# KiCad board Inkplate10_Soldered_panel.kicad_pcb (continued)
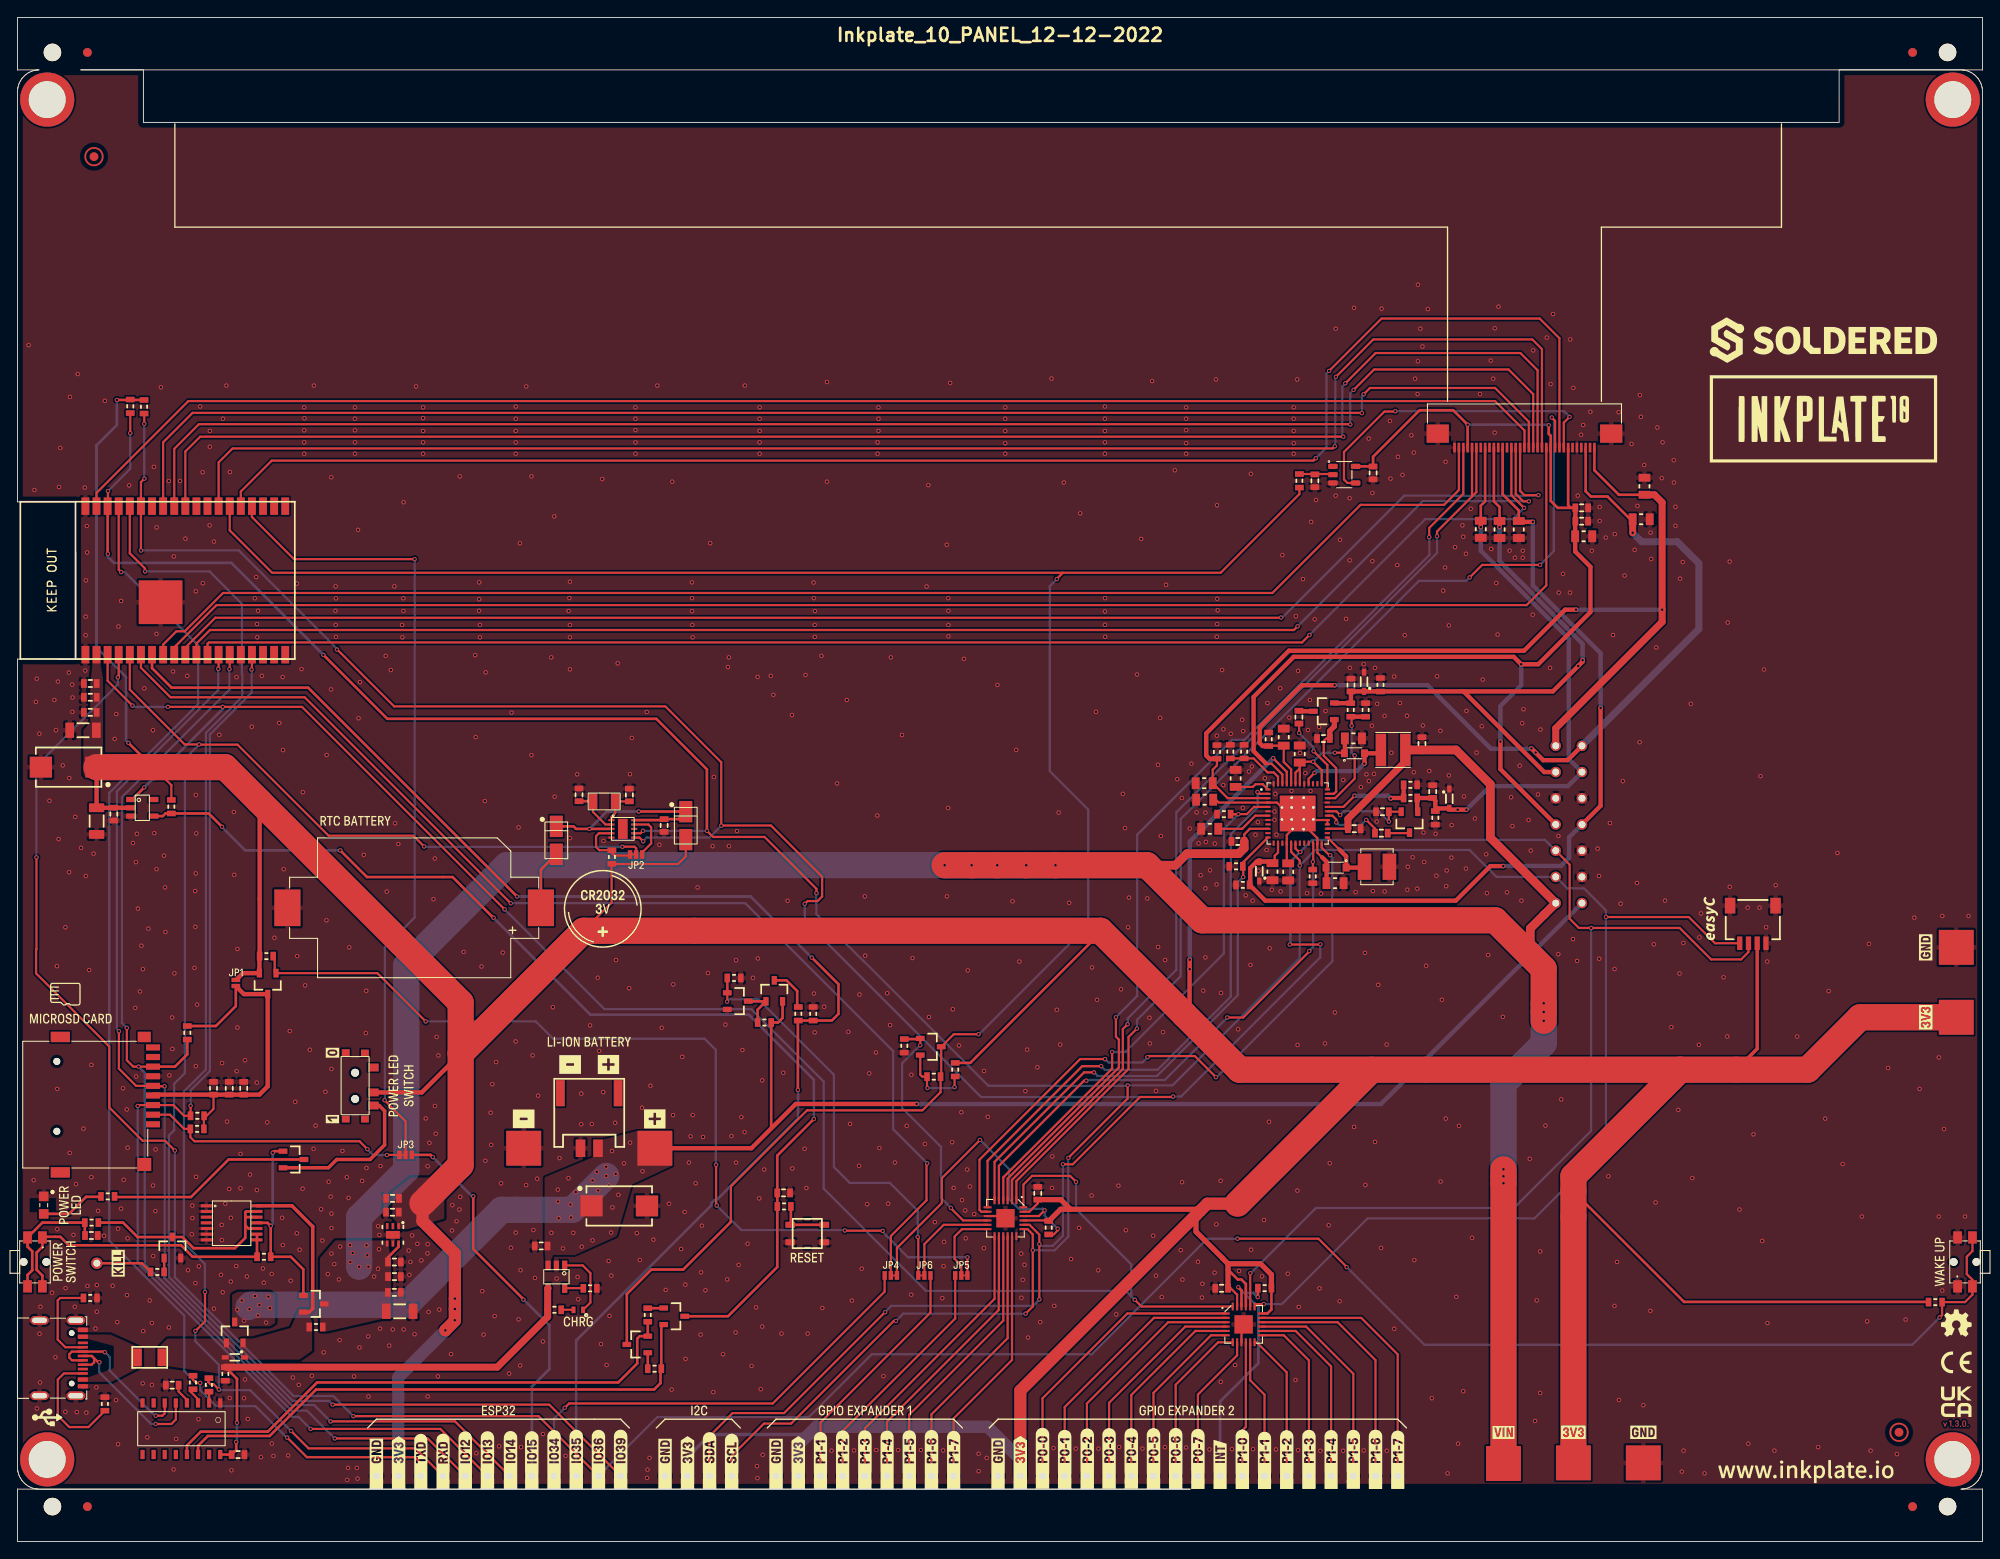
[diagram p0: board, top side]
## Placement (name value [footprint] x y rotation side) (continued)
kibuzzard-6392DAB6  G***  [kibuzzard-6392DAB6]  63.22 54.59 0 top
kibuzzard-6392DAC5  G***  [kibuzzard-6392DAC5]  57.91 48.37 0 top
kibuzzard-63035A45  G***  [kibuzzard-63035A45]  61.38 9.37 90 top
kibuzzard-63035A96  G***  [kibuzzard-63035A96]  63.92 9.4 90 top
kibuzzard-630359AB  G***  [kibuzzard-630359AB]  66.46 9.37 90 top
kibuzzard-638056B3  G***  [kibuzzard-638056B3]  133.77 15 0 top
kibuzzard-638057C3  G***  [kibuzzard-638057C3]  218.3 68 90 top
kibuzzard-638057DB  G***  [kibuzzard-638057DB]  218.3 60 90 top
kibuzzard-638057EE  G***  [kibuzzard-638057EE]  170 12.5 0 top
kibuzzard-638057F8  G***  [kibuzzard-638057F8]  178 12.5 0 top
kibuzzard-6303591E  G***  [kibuzzard-6303591E]  51.22 9.3 90 top
kibuzzard-6380569C  G***  [kibuzzard-6380569C]  96.94 15 0 top
kibuzzard-6380584F  G***  [kibuzzard-6380584F]  44.75 52.15 90 top
kibuzzard-6380973E  G***  [kibuzzard-6380973E]  5.3 38.5 90 top
kibuzzard-63035436  G***  [kibuzzard-63035436]  107.98 31.65 0 top
kibuzzard-63035904  G***  [kibuzzard-63035904]  53.76 9.3 90 top
kibuzzard-63035944  G***  [kibuzzard-63035944]  56.41 9.32 90 top
kibuzzard-63035991  G***  [kibuzzard-63035991]  69 9.4 90 top
kibuzzard-63037233  G***  [kibuzzard-63037233]  44.41 45.45 0 top
kibuzzard-63805803  G***  [kibuzzard-63805803]  186 12.5 0 top
kibuzzard-63805826  G***  [kibuzzard-63805826]  11.53 31.85 90 top
kibuzzard-63805845  G***  [kibuzzard-63805845]  43 52.15 90 top
kibuzzard-63805876  G***  [kibuzzard-63805876]  36.03 48.35 90 top
kibuzzard-63805880  G***  [kibuzzard-63805880]  36.03 55.95 90 top
kibuzzard-63805968  G***  [kibuzzard-63805968]  38.67 82.49 0 top
kibuzzard-63805973  G***  [kibuzzard-63805973]  1.8 36.6 180 bottom
L1  LQH44PN4R7MP0L  [1515L]  155.53 77.22 180 top
L2  NR4012T2R2M  [NR4012]  157.38 90.6 180 top
PAD1  -  [PAD_4x4]  72.91 45.01 0 top
PAD2  -  [PAD_4x4]  57.91 45.01 0 top
PAD3  PAD_4x4  [PAD_4x4#2]  170.52 8.93 270 top
PAD4  PAD_4x4  [PAD_4x4#3]  221.8 60.2 90 top
PAD5  -  [PAD_4x4]  178 9 270 top
PAD8  -  [PAD_4x4]  186 9 270 top
PAD9  -  [PAD_4x4]  221.8 68 90 top
Q1  DNP  [SOT-23-3]  104.48 56.62 0 top
Q2  NPN  [SOT-23-3]  75.13 25.78 0 top
Q3  NPN  [SOT-23-3]  70.91 22.55 180 top
Q4  NMOS  [SOT-23-3]  82.4 61.85 0 top
Q5  PMOS  [SOT-23-3]  86.58 63.02 90 top
Q6  PMOS  [SOT-23-3]  31.58 43.72 0 top
Q7  SSM3J358R,LF  [SOT-23-3]  24.85 23.92 90 top
Q8  NPN  [SOT-23-3]  17.73 33.65 90 top
Q9  SSM3J358R,LF  [SOT-23-3]  33.9 27.2 0 top
Q10  PMOS  [SOT-23-3]  28.63 63.85 270 top
R1  10k  [0603R]  12.9 129.92 90 top
R2  NTC-NCP18XH103F03RB  [0603R]  140.33 90.4 270 top
R3  43k-RC0603FR-0743KL  [0603R]  138.75 90.4 270 top
R4  10k  [0603R]  14.48 129.87 90 top
R5  100k  [0603R]  138.01 83.25 180 top
R6  100k  [0603R]  139.4 77.27 180 top
R7  100k  [0603R]  148.18 76.12 270 top
R8  4k7  [0603R]  137.22 90.37 90 top
R9  4k7  [0603R]  143.14 91.82 90 top
R10  4k7  [0603R]  155.93 98.05 270 top
R11  4k7  [0603R]  140.18 75.15 0 top
R12  4k7  [0603R]  162.2 82.82 90 top
R13  1M  [0603R]  152.53 95.17 90 top
R14  47k5-RC0603FR-0747K5L  [0603R]  154.23 95.17 270 top
R15  1M  [0603R]  159.35 85.1 0 top
R16  52k3-RC0603FR-0752K3L  [0603R]  159.35 86.6 180 top
R17  5k1  [0603R]  10 15.75 90 top
R18  5k1  [0603R]  8.33 27.87 0 top
R19  DNP  [0603R]  101.45 56.73 90 top
R20  1k  [0603R]  107.28 54 90 top
R21  0R  [0603R]  104.83 53.2 180 top
R22  47k  [0603R]  17.6 84.1 90 top
R23  1k  [0603R]  20.08 18.2 90 top
R24  1k  [0603R]  21.9 17.92 90 top
R25  100k  [0603R]  81.98 64.5 180 top
R26  10k  [0603R]  72.11 25.93 270 top
R27  10k  [0603R]  72.88 19.78 0 top
R28  1k  [0603R]  61.43 26.52 0 top
R29  510k  [0603R]  85.45 59.4 0 top
R30  100k  [0603R]  89.33 60.4 90 top
R31  100k  [0603R]  91.03 60.4 270 top
R32  2k49  [0603R]  65.51 28.97 0 top
R33  47R  [0603R]  87.7 38.35 180 top
R34  DNP  [0603R]  34.15 24.55 0 top
R35  1k  [0603R]  10.33 39.5 180 top
R36  100k  [0603R]  23.78 19.18 90 top
R37  1k  [0603R]  16 30.85 180 top
R38  100k  [0603R]  28.19 32.59 0 top
R39  100k  [0603R]  8.48 36.5 0 top
R40  100k  [0603R]  28.48 67 0 top
R41  100k  [0603R]  219.4 27.4 180 top
R42  10k  [0603R]  68 78.34 270 top
R43  100k  [0603R]  20.55 47.22 0 top
R44  100k  [0603R]  20.58 48.72 0 top
R45  100k  [0603R]  19.43 58.22 90 top
R46  330R  [0603R]  146.65 121.4 90 top
R47  10k  [0603R]  117.97 35.92 270 top
R48  10k  [0603R]  142.68 29 180 top
REF**  -  [Version1.3.0.]  221.8 13.5 0 top
REF**#2  -  [NPTH]  4 170.42 0 top
REF**#3  -  [NPTH]  220.8 4 0 top
REF**#4  -  [Fiducial]  216.8 4 0 top
REF**#5  -  [NPTH]  4 4 0 top
REF**#6  -  [Symbol-Front-CR2032]  66.95 72.42 0 top
REF**#7  -  [NPTH]  220.8 170.42 0 top
REF**#8  -  [Logo-Front-Inkplate10]  206.6 128.5 0 top
REF**#9  -  [Fiducial]  8 170.42 0 top
REF**#10  -  [Logo-Front-InkplateWebPage-20mm]  204.6 8 0 top
REF**#11  -  [Fiducial]  216.8 170.42 0 top
REF**#12  -  [Logo-Front-CE-3.5mm]  221.8 20.5 0 top
REF**#13  -  [Logo-Front-UKCA-3.5mm]  221.8 16 0 top
REF**#14  -  [Fiducial]  8 4 0 top
REF**#15  -  [Logo-Front-SolderedFULL-26mm]  206.6 137.5 0 top
REF**#16  -  [Fiducial]  216.8 170.42 0 bottom
REF**#17  -  [Fiducial]  8 4 0 bottom
REF**#18  -  [Fiducial]  216.8 4 0 bottom
REF**#19  -  [Fiducial]  8 170.42 0 bottom
S1  -  [SK-3296S-01-L1]  38.63 52.15 90 top
SW1  -  [YTSA007A0151803B]  90.35 35.25 180 top
SW2  -  [K2-1114SA-A4SW-06]  2 32 270 top
SW3  -  [K2-1114SA-A4SW-06]  222.8 32 90 top
U1  TPS65186RGZR  [VQFN-49]  146.46 83.32 0 top
U2  TPS3840PL27DBVR  [SOT-23-5]  14.28 83.97 0 top
U3  CH340C  [SOP-16]  18.75 12.91 270 top
U4  MCP73831T  [SOT-23-5]  61.65 30.3 270 top
U5  MC14093BDTR2G  [TSSOP-14]  24.5 36.47 0 top
U6  -  [TPS7A2633DRVR]  42.95 35.1 270 top
U7  -  [PCF85063A]  69.25 81.56 0 top
U8  -  [SN74LVC1G34DBV]  151.79 122.1 0 top
U9  -  [PCAL6416AHF,128]  113.03 37 270 top
U10  -  [ESP32-WROVER]  19.2 110 90 top
U11  -  [PCAL6416AHF,128]  140.28 24.85 0 top
X1  7LC32768F12UC  [ABS07AIG-32.768KHZ-7-D-T]  67.11 84.7 180 top

## Library data of the parts
D8 = -: Package: 0402

## Footprints (pads in the part's own frame, mm; a bottom-side part is the same pattern mirrored in y, then rotated)
0402LED
  rect 0.45x0.75 smd: 1(-0.55,0) 2(0.55,0)
0603C
  rect 0.66x1 smd: 1(-0.73,0) 2(0.73,0)
0603R
  rect 0.64x1 smd: 1(-0.775,0) 2(0.775,0)
0805C
  rect 0.9x1.35 smd: 1(-0.975,0) 2(0.975,0)
1206C
  rect 1x1.75 smd: 1(-1.525,0) 2(1.525,0)
1206FUSE
  rect 1x2 smd: 1(-1.4,0) 2(1.4,0)
1515L
  rect 1.55x3 smd: 1(-1.425,0) 2(1.425,0)
2917C
  rect 2.55x2.4 smd: 1(-3.175,0) 2(3.175,0)
ABS07AIG-32.768KHZ-7-D-T
  rect 1x1.8 smd: 1(-1.275,0) 2(1.275,0)
CR2032-BS-6-1
  rect 3x4.2 smd: +(14.5,0) -(-14.5,0)
easyC-connector
  rect 0.6x1.55 smd: 1(-1.5,-2.15) 2(-0.5,-2.15) 3(0.5,-2.15) 4(1.5,-2.15)
  rect 1.2x1.8 smd: 5(-2.6,2.15) 5(2.6,2.15)
ESP32-WROVER
  rect 2x0.9 smd: 1(-8.5,11.43) 2(-8.5,10.16) 3(-8.5,8.89) 4(-8.5,7.62) 5(-8.5,6.35) 6(-8.5,5.08) 7(-8.5,3.81) 8(-8.5,2.54) 9(-8.5,1.27) 10(-8.5,0) 11(-8.5,-1.27) 12(-8.5,-2.54) 13(-8.5,-3.81) 14(-8.5,-5.08) 15(-8.5,-6.35) 16(-8.5,-7.62) 17(-8.5,-8.89) 18(-8.5,-10.16) 19(-8.5,-11.43) 20(8.5,-11.43) 21(8.5,-10.16) 22(8.5,-8.89) 23(8.5,-7.62) 24(8.5,-6.35) 25(8.5,-5.08) 26(8.5,-3.81) 27(8.5,-2.54) 28(8.5,-1.27) 29(8.5,0) 30(8.5,1.27) 31(8.5,2.54) 32(8.5,3.81) 33(8.5,5.08) 34(8.5,6.35) 35(8.5,7.62) 36(8.5,8.89) 37(8.5,10.16) 38(8.5,11.43)
  rect 5x5 smd: 39(-2.5,2.83)
Fiducial
  round 1 smd: (0,0)
FIDUCIAL_23
  round 1 smd: 1(0,0)
HEADER_MALE_1X1_Inkplate
  round 1.3 hole 0.8: 1(0,0)
HYC77-TF09-200
  round 0.8 hole 1 unplated: (-4.95,-5.5) (3.05,-5.5)
  rect 0.7x1.6 smd: 1(2.25,5.5) 2(1.15,5.5) 3(0.05,5.5) 4(-1.05,5.5) 5(-2.15,5.5) 6(-3.25,5.5) 7(-4.35,5.5) 8(-5.45,5.5) CD(-6.55,5.5)
  rect 1.2x2.2 smd: 12(7.75,-5.1) MNT(-7.75,-5.1)
  rect 1.2x1.5 smd: MNT(-7.75,4.5)
  rect 1.5x1.6 smd: MNT(6.85,4.5)
INKPLATE TEST HEADER
  round 1.2 hole 0.8: 1(-1.5,9) 2(-1.5,6) 3(-1.5,3) 4(-1.5,0) 5(-1.5,-3) 6(-1.5,-6) 7(-1.5,-9) 8(1.5,-9) 9(1.5,-6) 10(1.5,-3) 11(1.5,0) 12(1.5,3) 13(1.5,6) 14(1.5,9)
JST-2pin-SMD
  rect 1x3 smd: (-3.3,3.15) (3.3,3.15)
  rect 1.1x2 smd: 1(1,-3.15) 2(-1,-3.15)
K2-1114SA-A4SW-06
  round 0.9 hole 0.9 unplated: (0,1.3) (0,-1.3)
  rect 1.4x1 smd: 1(-2.8,0.85) 1(2.8,0.85) 2(-2.8,-0.85) 2(2.8,-0.85)
LTST-S270GKT
  rect 1.1x1.1 smd: 1(-1,0) 2(1,0)
M4_DIODA
  rect 2.45x1.5 smd: 1(-1.6,0) 2(1.6,0)
NPTH
  round 2 hole 2 unplated: (0,0)
NR4012
  rect 1.2x3.7 smd: 1(-1.4,0) 2(1.4,0)
PAD_4x4
  rect 4x4 smd: 1(0,0)
PAD_4x4#2
  rect 4x4 smd: 1(0,-0.52)
PAD_4x4#3
  rect 4x4 smd: 1(-0.2,0)
PCAL6416AHF,128
  rect 0.9x0.24 smd: 1(-2.05,1.25) 2(-2.05,0.75) 3(-2.05,0.25) 4(-2.05,-0.25) 5(-2.05,-0.75) 6(-2.05,-1.25) 13(2.05,-1.25) 14(2.05,-0.75) 15(2.05,-0.25) 16(2.05,0.25) 17(2.05,0.75) 18(2.05,1.25)
  rect 0.24x0.9 smd: 7(-1.25,-2.05) 8(-0.75,-2.05) 9(-0.25,-2.05) 10(0.25,-2.05) 11(0.75,-2.05) 12(1.25,-2.05) 19(1.25,2.05) 20(0.75,2.05) 21(0.25,2.05) 22(-0.25,2.05) 23(-0.75,2.05) 24(-1.25,2.05)
  rect 2.1x2.1 smd: 25(0,0)
PCF85063A
  rect 1.1x2.3 smd: (0,0)
  rect 0.7x0.25 smd: 1(-1.3,1) 2(-1.3,0.5) 3(-1.3,0) 4(-1.3,-0.5) 5(-1.3,-1) 6(1.3,-1) 7(1.3,-0.5) 8(1.3,0) 9(1.3,0.5) 10(1.3,1)
SFV33R-1STE9HLF
  rect 0.3x1.1 smd: 1(-8,0.8) 2(-7.5,0.8) 3(-7,0.8) 4(-6.5,0.8) 5(-6,0.8) 6(-5.5,0.8) 7(-5,0.8) 8(-4.5,0.8) 9(-4,0.8) 10(-3.5,0.8) 11(-3,0.8) 12(-2.5,0.8) 13(-2,0.8) 14(-1.5,0.8) 15(-1,0.8) 16(-0.5,0.8) 17(0,0.8) 18(0.5,0.8) 19(1,0.8) 20(1.5,0.8) 21(2,0.8) 22(2.5,0.8) 23(3,0.8) 24(3.5,0.8) 25(4,0.8) 26(4.5,0.8) 27(5,0.8) 28(5.5,0.8) 29(6,0.8) 30(6.5,0.8) 31(7,0.8) 32(7.5,0.8) 33(8,0.8)
  rect 2.55x2.1 smd: 34(-9.925,-0.8) 34(9.925,-0.8)
SK-3296S-01-L1
  rect 0.9x1.2 smd: 1(2.1,-2.1) 2(-0.75,-2.1) 3(-2.25,-2.1)
  round 0.9 hole 0.9: MH1(-1.5,0) MH2(1.5,0)
  rect 0.8x0.9 smd: MP1(-3.8,-1.125) MP2(3.75,-1.125) MP3(3.8,1.075) MP4(-3.8,1.075)
SMD_JUMPER
  rect 0.5x1 smd: 1(-0.35,0) 2(0.35,0)
SMD_JUMPER_3_PAD_CONNECTED_LEFT_TRACE
  rect 0.5x1 smd: 1(-0.7,0) 3(0.7,0)
  custom 0.5x1 smd: 2(0,0)
SN74LVC1G34DBV
  rrect 1.1x0.6 smd: 1(-1.3,0.95) 2(-1.3,0) 3(-1.3,-0.95) 4(1.3,-0.95) 5(1.3,0.95)
SOD-323
  rect 0.8x0.5 smd: 1(-1.1,0) 2(1.1,0)
SOD-323-2
  rect 0.8x0.9 smd: 1(-1.15,0) 2(1.15,0)
SOP-16
  rect 1.05x0.48 smd: 1(-2.95,4.445) 2(-2.95,3.175) 3(-2.95,1.905) 4(-2.95,0.635) 5(-2.95,-0.635) 6(-2.95,-1.905) 7(-2.95,-3.175) 8(-2.95,-4.445) 9(2.95,-4.445) 10(2.95,-3.175) 11(2.95,-1.905) 12(2.95,-0.635) 13(2.95,0.635) 14(2.95,1.905) 15(2.95,3.175) 16(2.95,4.445)
SOT-23-3
  rect 1x0.6 smd: 1(-1.2,0.95) 2(-1.2,-0.95) 3(1.2,0)
SOT-23-5
  rect 1.1x0.6 smd: 1(-1.3,0.95) 2(-1.3,0) 3(-1.3,-0.95) 4(1.3,-0.95) 5(1.3,0.95)
Standoff_M3
  round 6.2 hole 4.22: (0,0)
TPS7A2633DRVR
  rect 0.7x0.3 smd: 1(-0.995,0.65) 2(-0.995,0) 3(-0.995,-0.65) 4(0.995,-0.65) 5(0.995,0) 6(0.995,0.65)
  rect 0.89x1.6 smd: 5(0,0)
TSSOP-14
  rect 1.26x0.36 smd: 1(-2.9,1.95) 2(-2.9,1.3) 3(-2.9,0.65) 4(-2.9,0) 5(-2.9,-0.65) 6(-2.9,-1.3) 7(-2.9,-1.95) 8(2.9,-1.95) 9(2.9,-1.3) 10(2.9,-0.65) 11(2.9,0) 12(2.9,0.65) 13(2.9,1.3) 14(2.9,1.95)
U262-161N-4BVC11
  round 0.65 hole 0.65 unplated: (-2.913,-3.2) (2.862,-3.2)
  rect 0.3x1.15 smd: A1(3.337,-4.475) A4(2.537,-4.475) A5(1.237,-4.475) A6(0.237,-4.475) A7(-0.263,-4.475) A8(-1.263,-4.475) A9(-2.563,-4.475) A12(-3.338,-4.475) B1(-3.138,-4.475) B4(-2.363,-4.475) B5(-1.763,-4.475) B6(-0.763,-4.475) B7(0.737,-4.475) B8(1.737,-4.475) B9(2.337,-4.475) B12(3.112,-4.475)
  oval 1x2.1 hole 0.6x1.7: SH(-4.313,0.475) SH(-4.313,-3.675) SH(4.312,0.475) SH(4.312,-3.675)
VQFN-49
  rect 0.6x0.24 smd: 1(-3.4,2.75) 2(-3.4,2.25) 3(-3.4,1.75) 4(-3.4,1.25) 5(-3.4,0.75) 6(-3.4,0.25) 7(-3.4,-0.25) 8(-3.4,-0.75) 9(-3.4,-1.25) 10(-3.4,-1.75) 11(-3.4,-2.25) 12(-3.4,-2.75) 25(3.4,-2.75) 26(3.4,-2.25) 27(3.4,-1.75) 28(3.4,-1.25) 29(3.4,-0.75) 30(3.4,-0.25) 31(3.4,0.25) 32(3.4,0.75) 33(3.4,1.25) 34(3.4,1.75) 35(3.4,2.25) 36(3.4,2.75)
  rect 0.24x0.6 smd: 13(-2.75,-3.4) 14(-2.25,-3.4) 15(-1.75,-3.4) 16(-1.25,-3.4) 17(-0.75,-3.4) 18(-0.25,-3.4) 19(0.25,-3.4) 20(0.75,-3.4) 21(1.25,-3.4) 22(1.75,-3.4) 23(2.25,-3.4) 24(2.75,-3.4) 37(2.75,3.4) 38(2.25,3.4) 39(1.75,3.4) 40(1.25,3.4) 41(0.75,3.4) 42(0.25,3.4) 43(-0.25,3.4) 44(-0.75,3.4) 45(-1.25,3.4) 46(-1.75,3.4) 47(-2.25,3.4) 48(-2.75,3.4)
  round 0.5 hole 0.3: 49(-1.8,0.685) 49(-1.8,-0.685) 49(-0.685,1.8) 49(-0.685,0.685) 49(-0.685,-0.685) 49(-0.57,-1.78) 49(0.685,1.8) 49(0.685,0.685) 49(0.685,-0.685) 49(0.685,-1.8) 49(1.8,0.685) 49(1.8,-0.685)
  rect 4.1x4.1 smd: 49(0,0)
YTSA007A0151803B
  rect 0.7x0.25 smd: (0,1.625) (0,-1.625)
  rect 1.1x0.7 smd: 1(-1.95,1) 1(1.95,1) 2(-1.95,-1) 2(1.95,-1)

## Nets
Board_0-/POWER/VDDH_D: C19.2 D7.1 U1.35
Board_0-/POWER/VDDH_DRV: C17.1 U1.36
Board_0-/POWER/VDDH_FB: R13.1 R14.2 U1.34
Board_0-/POWER/VEE_D: C18.2 D6.2 U1.31
Board_0-/POWER/VEE_DRV: C16.2 U1.30
Board_0-/POWER/VEE_FB: R15.1 R16.2 U1.32
Board_0-3V3: C21.2 C23.2 C31.2 C33.2 C44.2 C45.2 C46.2 C47.2 C48.2 C49.1 C50.2 D11.1 JP1.2 K3.3 K5.1 K15.1 K47.1 K50.1 PAD4.1 PAD5.1 Q10.2 R1.2 R4.2 R20.2 R22.2 R40.1 R41.2 R42.2 R47.1 R48.1 S1.2 U1.45 U2.2 U6.1 U9.21 U9.23 U10.2 U11.18 U11.21 U11.23
Board_0-3V3-EINK: C41.2 C42.2 C43.2 C55.2 K1.4 K12.7 K12.11 K12.30 U1.46 U8.5
Board_0-3V3_MICROSD: C37.2 C38.2 C39.2 JP1.1 K11.4 Q10.3 R43.2 R44.2 R45.2
Board_0-3V3_RTC: C36.2 D11.2 D12.2 U7.3 U7.10
Board_0-/CTRL & COMS/CH_RXD: R23.1 U3.3
Board_0-/CTRL & COMS/CH_TXD: R24.1 U3.2
Board_0-/CTRL & COMS/DTR: Q3.2 R26.2 U3.13
Board_0-/CTRL & COMS/RTS: Q2.2 R27.2 U3.14
Board_0-/MCU/GPB_3: K19.1 U9.13
Board_0-/MCU/GPB_4: K20.1 U9.14
Board_0-/MCU/GPB_5: K23.1 U9.15
Board_0-/MCU/GPB_6: K21.1 U9.16
Board_0-/MCU/GPB_7: K22.1 U9.17
Board_0-/POWER/INT_LDO: C4.2 U1.7
Board_0-/POWER/TS: R2.2 R3.2 U1.47
Board_0-/POWER/VB: C11.2 C12.2 D3.1 U1.37 U1.42 U1.43
Board_0-/POWER/VB_SW: D3.2 L2.2 U1.40
Board_0-/POWER/VN: C3.2 C7.2 C9.2 D1.2 U1.4 U1.16 U1.23 U1.28 U1.29 U1.49
Board_0-/POWER/VN_SW: D1.1 L1.2 U1.25
Board_0-/POWER/VREF: C1.2 U1.1
Board_0-/SD_RTC_GPIO/CLKOUT_RTC: JP2.3 U7.9
Board_0-/SD_RTC_GPIO/X1: C34.2 U7.1 X1.1
Board_0-/SD_RTC_GPIO/X2: C35.2 U7.2 X1.2
Board_0-D+: K2.A6 K2.B6 U3.5
Board_0-D-: K2.A7 K2.B7 U3.6
Board_0-EPD_CKV: K12.32 U10.8
Board_0-EPD_CL: K12.8 U8.4
Board_0-EPD_D0: K12.13 U10.26
Board_0-EPD_D1: K12.14 U10.29
Board_0-EPD_D2: K12.15 U10.30
Board_0-EPD_D3: K12.16 U10.31
Board_0-EPD_D4: K12.17 U10.37
Board_0-EPD_D5: K12.18 U10.10
Board_0-EPD_D6: K12.19 U10.11
Board_0-EPD_D7: K12.20 U10.12
Board_0-EPD_GMODE: K12.28 K12.29 U9.2
Board_0-EPD_LE: K12.9 U10.24
Board_0-EPD_OE: K12.10 U9.1
Board_0-EPD_SPH: K12.12 U10.9
Board_0-EPD_SPV: K12.31 U9.3
Board_0-GND: C1.1 C2.1 C3.1 C4.1 C5.1 C6.1 C7.1 C8.1 C9.1 C10.1 C11.1 C12.1 C13.1 C14.1 C15.1 C18.1 C19.1 C20.1 C21.1 C22.1 C23.1 C24.2 C25.1 C26.1 C27.1 C28.1 C29.1 C30.1 C31.1 C32.1 C33.1 C34.1 C35.1 C36.1 C37.1 C38.1 C39.1 C40.1 C41.1 C42.1 C43.1 C44.1 C45.1 C46.1 C47.1 C48.1 C49.2 C50.1 C51.1 C52.1 C53.1 C54.1 C55.1 C56.1 D2.1 D4.2 D5.2 D9.2 K1.3 K1.9 K1.10 K1.12 K2.A1 K2.A12 K2.B1 K2.B12 K2.SH K3.4 K3.5 K4.2 K8.1 K10.- K11.6 K12.5 K12.33 K12.34 K48.1 K51.1 K52.1 L1.1 PAD2.1 PAD8.1 PAD9.1 Q4.2 Q8.2 R2.1 R3.1 R5.2 R6.2 R7.2 R8.2 R9.2 R10.1 R11.1 R12.1 R14.1 R16.1 R17.2 R18.2 R19.1 R25.1 R31.1 R32.2 R36.1 SW1.1 SW3.1 U1.6 U1.8 U1.33 U1.41 U1.48 U2.3 U3.1 U4.2 U5.1 U5.2 U5.5 U5.6 U5.7 U6.5 U7.5 U8.3 U9.9 U9.18 U9.25 U10.1 U10.15 U10.38 U10.39 U11.9 U11.25
Board_0-GPIO15: JP3.3 K38.1
Board_0-GPIO_0: Q1.3 Q3.3 R21.1 R46.1 U10.25
Board_0-GPIO_0_MOSFET: Q1.1 R19.2 U9.10
Board_0-GPIO_36: K37.1 R41.1 SW3.2 U10.4
Board_0-GPIO_39: JP2.2 K36.1 U10.5
Board_0-I2C_SCL: K1.6 K3.1 K6.1 R1.1 U1.17 U7.7 U9.19 U10.36 U11.19
Board_0-I2C_SDA: K1.5 K3.2 K7.1 R4.1 U1.18 U7.6 U9.20 U10.33 U11.20
Board_0-INT: U1.2 U9.7
Board_0-INTB: JP4.1 R47.2 U9.22
Board_0-IO34: JP4.2 U10.6
Board_0-MANUAL_RST: C26.2 Q2.3 R22.1 R33.2 U2.4
Board_0-Net-(C16-Pad1): C16.1 D6.3
Board_0-Net-(C17-Pad2): C17.2 D7.3
Board_0-Net-(C22-Pad2): C22.2 U3.4
Board_0-Net-(C32-Pad2): C32.2 R39.1 SW2.2
Board_0-Net-(C40-Pad2): C40.2 R46.2 U8.2
Board_0-Net-(D8-Pad1): D8.1 R28.2
Board_0-Net-(D8-Pad2): D8.2 U4.1
Board_0-Net-(D9-Pad1): D9.1 R35.2
Board_0-Net-(D12-Pad1): D12.1 K10.+
Board_0-Net-(F1-Pad2): F1.2 K2.A4 K2.A9 K2.B4 K2.B9
Board_0-Net-(JP2-Pad1): JP2.1 R42.1 U7.4
Board_0-Net-(JP3-Pad1): JP3.1 K11.2 R43.1
Board_0-Net-(JP4-Pad3): JP4.3 K13.1
Board_0-Net-(JP5-Pad2): JP5.2 U9.12
Board_0-Net-(JP5-Pad3): JP5.3 K18.1
Board_0-Net-(JP6-Pad2): JP6.2 U9.11
Board_0-Net-(JP6-Pad3): JP6.3 K24.1
Board_0-Net-(K2-PadA5): K2.A5 R18.1
Board_0-Net-(K2-PadB5): K2.B5 R17.1
Board_0-Net-(K9-Pad1): K9.1 R37.2
Board_0-Net-(K28-Pad1): K28.1 U11.1
Board_0-Net-(K29-Pad1): K29.1 U11.2
Board_0-Net-(K30-Pad1): K30.1 U11.3
Board_0-Net-(K31-Pad1): K31.1 U11.4
Board_0-Net-(K32-Pad1): K32.1 U11.5
Board_0-Net-(K33-Pad1): K33.1 U11.6
Board_0-Net-(K34-Pad1): K34.1 U11.7
Board_0-Net-(K35-Pad1): K35.1 U11.8
Board_0-Net-(K39-Pad1): K39.1 U11.10
Board_0-Net-(K40-Pad1): K40.1 U11.11
Board_0-Net-(K41-Pad1): K41.1 U11.12
Board_0-Net-(K42-Pad1): K42.1 U11.13
Board_0-Net-(K43-Pad1): K43.1 U11.14
Board_0-Net-(K44-Pad1): K44.1 U11.15
Board_0-Net-(K45-Pad1): K45.1 U11.16
Board_0-Net-(K46-Pad1): K46.1 U11.17
Board_0-Net-(K49-Pad1): K49.1 R48.2 U11.22
Board_0-Net-(Q1-Pad2): Q1.2 R20.1 R21.2
Board_0-Net-(Q2-Pad1): Q2.1 R26.1
Board_0-Net-(Q3-Pad1): Q3.1 R27.1
Board_0-Net-(Q4-Pad3): Q4.3 Q5.1 R29.1
Board_0-Net-(Q5-Pad3): Q5.3 R30.2
Board_0-Net-(Q6-Pad2): Q6.2 S1.3
Board_0-Net-(Q6-Pad3): Q6.3 R35.1
Board_0-Net-(Q8-Pad1): Q8.1 R37.1
Board_0-Net-(Q8-Pad3): Q8.3 R39.2 U5.10 U5.12 U5.13
Board_0-Net-(R32-Pad1): R32.1 U4.5
Board_0-Net-(R33-Pad1): R33.1 SW1.2
Board_0-Net-(R38-Pad1): R38.1 SW2.1 U5.8 U5.9
Board_0-PWR_GOOD: U1.24 U9.8
Board_0-PWRUP: R7.1 U1.22 U9.5
Board_0-RST: U2.1 U9.24 U10.3 U11.24
Board_0-RXD: K17.1 R24.2 U10.34
Board_0-SD_ENABLE: JP5.1 Q10.1 R40.2
Board_0-SPI_CS: JP3.2 U10.23
Board_0-SPI_MISO: K11.7 K26.1 R45.1 U10.14
Board_0-SPI_MOSI: K11.3 K27.1 R44.1 U10.16
Board_0-SPI_SCK: K11.5 K25.1 U10.13
Board_0-SW_IN: D10.2 Q7.2 Q9.2 R34.1 U5.14
Board_0-SW_OUT_D: Q6.1 Q9.1 R38.2 U5.11
Board_0-TXD: K16.1 R23.2 U10.35
Board_0-unconnected-(K2-PadA8): K2.A8
Board_0-unconnected-(K2-PadB8): K2.B8
Board_0-unconnected-(K11-Pad1): K11.1
Board_0-unconnected-(K11-Pad8): K11.8
Board_0-unconnected-(K12-Pad2): K12.2
Board_0-unconnected-(K12-Pad4): K12.4
Board_0-unconnected-(K12-Pad6): K12.6
Board_0-unconnected-(K12-Pad21): K12.21
Board_0-unconnected-(K12-Pad23): K12.23
Board_0-unconnected-(K12-Pad25): K12.25
Board_0-unconnected-(K12-Pad27): K12.27
Board_0-unconnected-(S1-Pad1): S1.1
Board_0-unconnected-(U2-Pad5): U2.5
Board_0-unconnected-(U3-Pad9): U3.9
Board_0-unconnected-(U3-Pad10): U3.10
Board_0-unconnected-(U3-Pad11): U3.11
Board_0-unconnected-(U3-Pad12): U3.12
Board_0-unconnected-(U3-Pad15): U3.15
Board_0-unconnected-(U5-Pad3): U5.3
Board_0-unconnected-(U5-Pad4): U5.4
Board_0-unconnected-(U6-Pad3): U6.3
Board_0-unconnected-(U7-Pad8): U7.8
Board_0-unconnected-(U8-Pad1): U8.1
Board_0-unconnected-(U10-Pad17): U10.17
Board_0-unconnected-(U10-Pad18): U10.18
Board_0-unconnected-(U10-Pad19): U10.19
Board_0-unconnected-(U10-Pad20): U10.20
Board_0-unconnected-(U10-Pad21): U10.21
Board_0-unconnected-(U10-Pad22): U10.22
Board_0-V_BAT: K14.1 R30.1 R31.2 U10.7
Board_0-V_BAT_MOS: JP6.1 Q4.1 R25.2
Board_0-VBAT: C24.1 C25.2 K1.8 K4.1 PAD1.1 Q5.2 Q7.3 R29.2 U4.3
Board_0-VCOM: C6.2 C56.2 D4.1 K1.11 K12.22 R11.2 U1.14
Board_0-VCOM_CTRL: R6.1 U1.12 U9.6
Board_0-VDDH: C14.2 C52.2 D2.2 D7.2 K1.2 K12.24 R10.2 R13.2
Board_0-VEE: C15.2 C53.2 D5.1 D6.1 K1.13 K12.26 R12.2 R15.2
Board_0-VIN: C5.2 C8.2 C10.2 C27.2 C28.2 C29.2 C30.2 K1.7 L2.1 PAD3.1 Q9.3 R34.2 U1.10 U1.27 U6.4 U6.6
Board_0-VNEG: C2.2 C51.2 K1.1 K12.1 R8.1 U1.3
Board_0-VPOS: C13.2 C54.2 K1.14 K12.3 R9.1 U1.44
Board_0-VUSB: C20.2 D10.1 F1.1 Q7.1 R28.1 R36.2 U3.16 U4.4
Board_0-WAKEUP: R5.1 U1.5 U9.4

Pads without a net: FD1 1; FD2 1; K11 12 CD MNT; S1 MH1 MH2 MP1 MP2 MP3 MP4; U1 9 11 13 15 19 20 21 26 38 39; U3 7 8; U6 2; U10 27 28 32

## Via types
v1: diameter 0.5, hole 0.3, Top to Bottom, 1292 vias

## Routing (per net, layer and track width the routed paths; a pad name or vN(x,y) marks a point on that pad's centre or on a via; arc(x,y) is an arc through that point)
Board_0-/POWER/VDDH_D: length 10.7
  Top w0.254: U1.35 150.6,85.57 150.86,85.83 150.86,88.51 149.44,89.93 149.44,91.63 149.71,91.9 C19.2
  Top w0.6: D7.1 150.65,93.3 150.13,92.78 C19.2
Board_0-/POWER/VDDH_DRV: length 8.9
  Top w0.254: v1(146.63,92.55) 146.63,93.59 C17.1 ; v1(148.28,90.45) 149.86,88.87 U1.36
  Bottom w0.254: v1(146.63,92.55) 146.63,92.5 148.28,90.84 v1(148.28,90.45)
Board_0-/POWER/VDDH_FB: length 13
  Top w0.254: U1.34 150.74,85.07 152.98,87.31 v1(152.98,89.95) ; v1(152.63,93.37) 152.63,94.3 R13.1
  Top w0.5: R13.1 R14.2
  Bottom w0.254: v1(152.63,93.37) 152.63,90.3 v1(152.98,89.95)
Board_0-/POWER/VEE_D: length 10.4
  Top w0.254: v1(156.89,82.4) 156.88,82.41 C18.2 D6.2 ; v1(151.31,83.15) 150.89,83.57 U1.31
  Bottom w0.254: v1(156.89,82.4) 155.71,83.58 151.75,83.58 v1(151.31,83.15)
Board_0-/POWER/VEE_DRV: length 7.2
  Top w0.254: v1(154.3,82.59) 155.3,81.59 C16.2 ; v1(150.87,82.3) 150.87,82.63 150.43,83.07 U1.30
  Bottom w0.254: v1(150.87,82.3) 151.16,82.01 153.72,82.01 v1(154.3,82.59)
Board_0-/POWER/VEE_FB: length 10.9
  Top w0.254: U1.32 151.69,84.07 152.95,85.34 v1(152.95,85.36)
  Top w0.5: v1(157.09,85.04) 157.15,85.1 R15.1 R16.2
  Bottom w0.5: v1(157.09,85.04) 156.77,85.36 v1(152.95,85.36)
Board_0-3V3: length 763.9
  Top w0.254: U9.23 115.76,37.75 116.72,38.71 C44.2 ; D11.1 76.45,78.42 75.57,77.54 68.03,77.54 R42.2 67.97,77.53 67.97,73.12 64.75,69.9 ; 15.55,88.62 17.6,86.57 R22.2 ; U9.21 117.92,36.75 R47.1 ; C50.2 138.79,28.98 139.53,28.24 U11.23 ; v1(143.65,89.65) 145.21,88.09 U1.45
  Top w0.3: 178,40.07 190.65,27.42 218.6,27.42 R41.2 ; 138.49,31.11 139.6,30 140.01,30 140.53,29.48 U11.21 ; JP1.2 25.02,64.27 ; R48.1 143.45,26.55 143,26.1 U11.18 ; 123.9,69.9 123.9,69.68 109,54.78 R20.2 ; v1(11.37,130.65) R4.2 ; v1(12.7,91.4) 15.48,88.62 15.55,88.62
  Top w0.4: K3.3 199.03,56.4 196.63,54
  Top w0.5: 133.52,60.28 134.09,60.85 134.09,65.49 v1(134.1,65.5) v1(134.1,66.6) ; 50.7,55.85 46.25,51.4 S1.2 ; R40.1 27.7,84.67 27.65,84.73 ; 25.02,64.27 25.79,65.05 Q10.2 27.68,66.97 ; U2.2 C21.2 9.05,88.6 C49.1
  Top w0.6: C44.2 119.36,39.13 120.47,38.03 ; 135.31,37.86 135.15,38.03 120.47,38.03 ; R47.1 118.01,36.69 119.34,38.03 120.47,38.03 ; 138.49,31.79 142.21,31.79 143.45,30.55 R48.1 ; 138.49,31.79 C50.2 ; 138.49,31.79 137.85,32.42 137.85,32.44 134.83,35.46 134.83,37.37
  Top w0.8: 50.02,25.25 v1(50.02,25.33) 50.04,25.35
  Top w1: 154.73,53.92 154.85,53.92 154.92,54
  Top w1.4: K47.1 114.72,17.27 136.12,38.67 139.59,38.67 ; 50.02,25.25 48.95,24.18 v1(48.95,24.17) ; 46.33,38.72 46.33,36.68 50.04,32.97 v1(50.04,27.8) v1(50.04,26.61) 50.04,25.35
  Top w3: 190.2,54 139.8,54 123.9,69.9 64.75,69.9 50.7,55.85 ; 190.2,54 204.8,54 210.8,60 PAD4.1 ; 190.2,54 178,41.8 PAD5.1 ; 50.7,55.85 50.7,43.09 46.33,38.72 ; 50.7,55.85 50.7,61.67 23.75,88.62 C49.1 ; 139.59,38.67 154.73,53.8 154.73,53.92
  Bottom w0.3: v1(12.7,91.4) 12.43,91.67 12.43,98.94 9.04,102.32 9.04,125.45 11.37,127.78 v1(11.37,130.65)
  Bottom w0.4: 90.5,12.25 79.25,12.25 76.62,9.62 K5.1
  Bottom w0.5: v1(134.1,65.5) v1(134.1,66.6) 134.1,80.1 v1(143.65,89.65)
  Bottom w0.8: 50.02,25.24 v1(50.02,25.33) 50.04,25.35
  Bottom w1.4: K15.1 43.58,7.52 43.58,18.8 48.94,24.17 v1(48.95,24.17) 50.02,25.24 ; K47.1 114.72,9.4 110.99,13.14 91.39,13.14 89.32,11.07 K50.1 ; v1(50.04,27.8) v1(50.04,26.61) 50.04,25.35
Board_0-3V3-EINK: length 137.2
  Top w0.254: 142.83,89.01 143.48,89.01 144.71,87.78 U1.46 ; 155.06,123.05 C41.2
  Top w0.3: 177.7,118.3 C43.2 ; 177.7,118.3 176.2,118.3 175.4,119.1 K12.11 175.4,126.55 175.17,126.78 v1(175.17,127.75) ; 177.7,118.3 177.4,118.6 K12.7 ; C41.2 155.08,124.15 160.4,129.47 164.25,129.47 v1(165.9,127.82) K12.30 ; U8.5 155.06,123.05